# Altium PCB 6502_CPU_MainBoard_PCB_V1_2_x.PcbDoc (part 1 of 4) (continued)
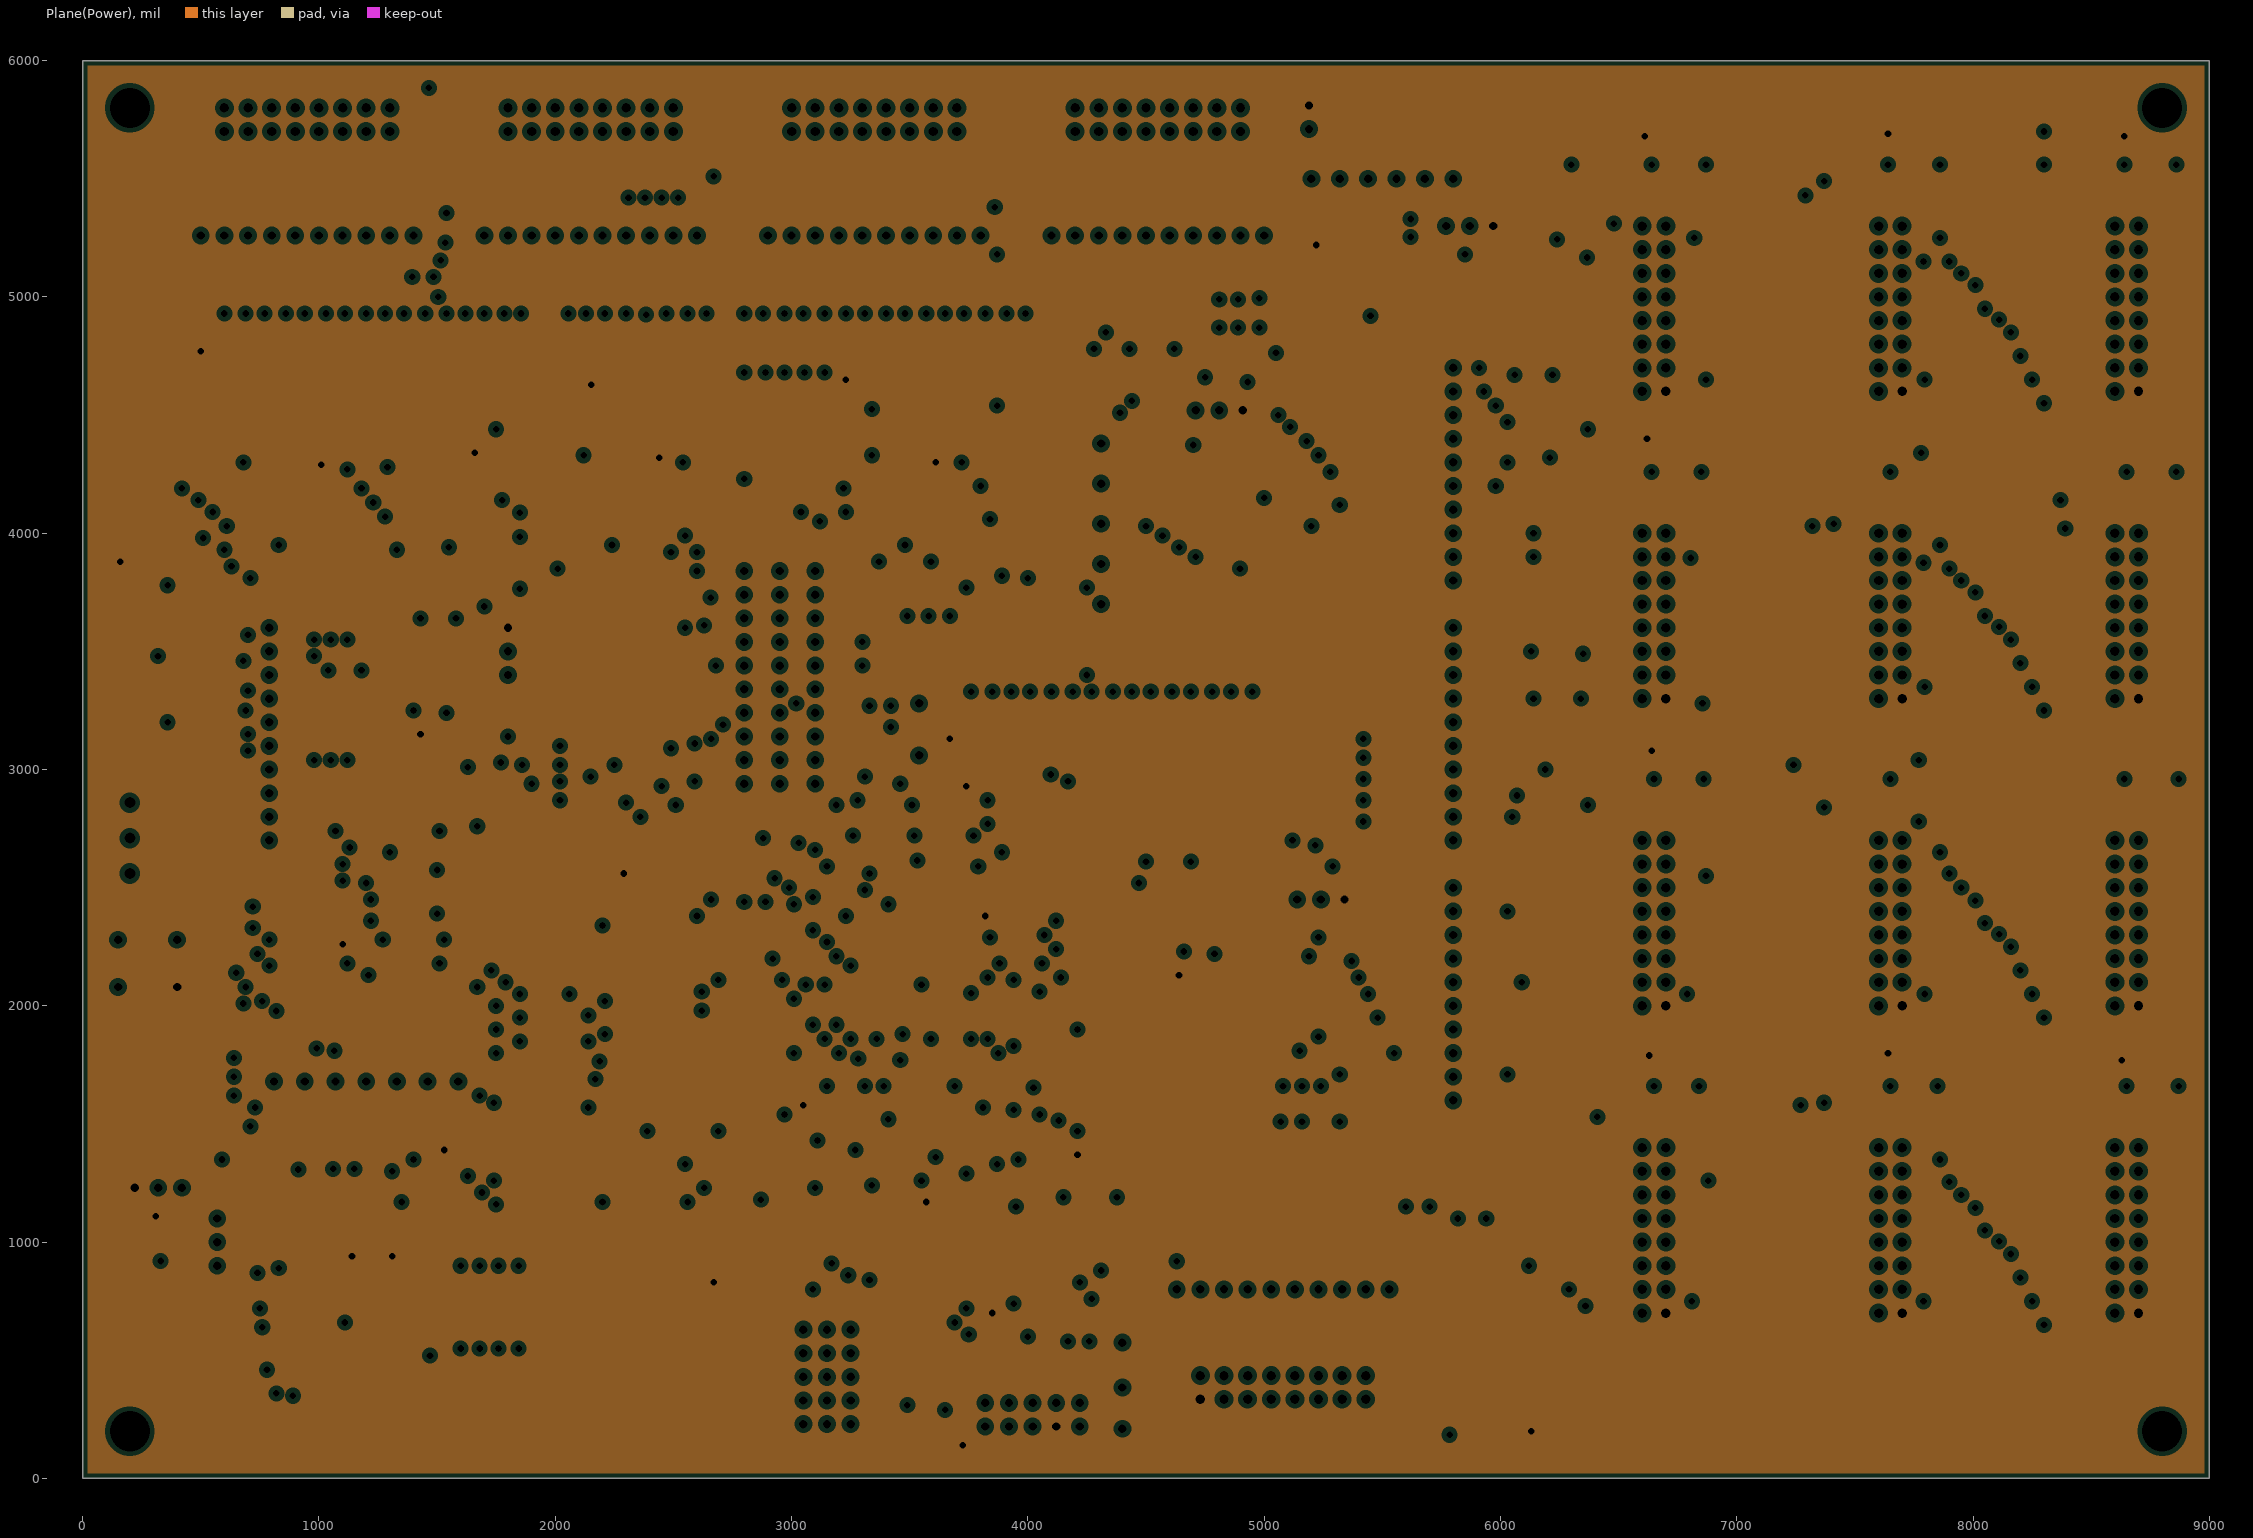
[diagram p3: Plane(Power), clearances drawn from the general rule]
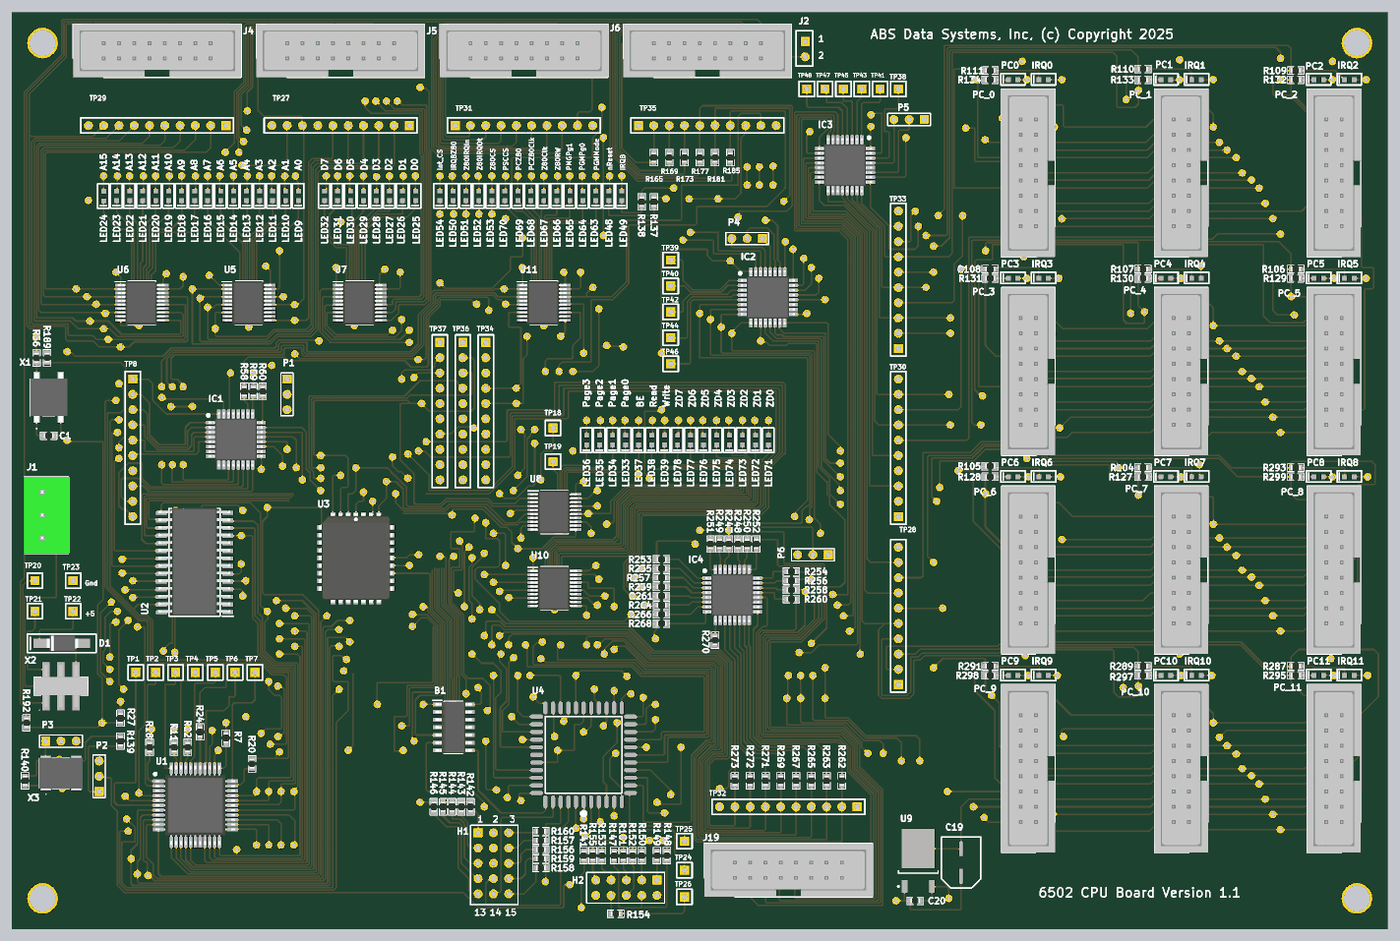
[diagram p7: 3D render of the assembled board from above, using the file's embedded part models]
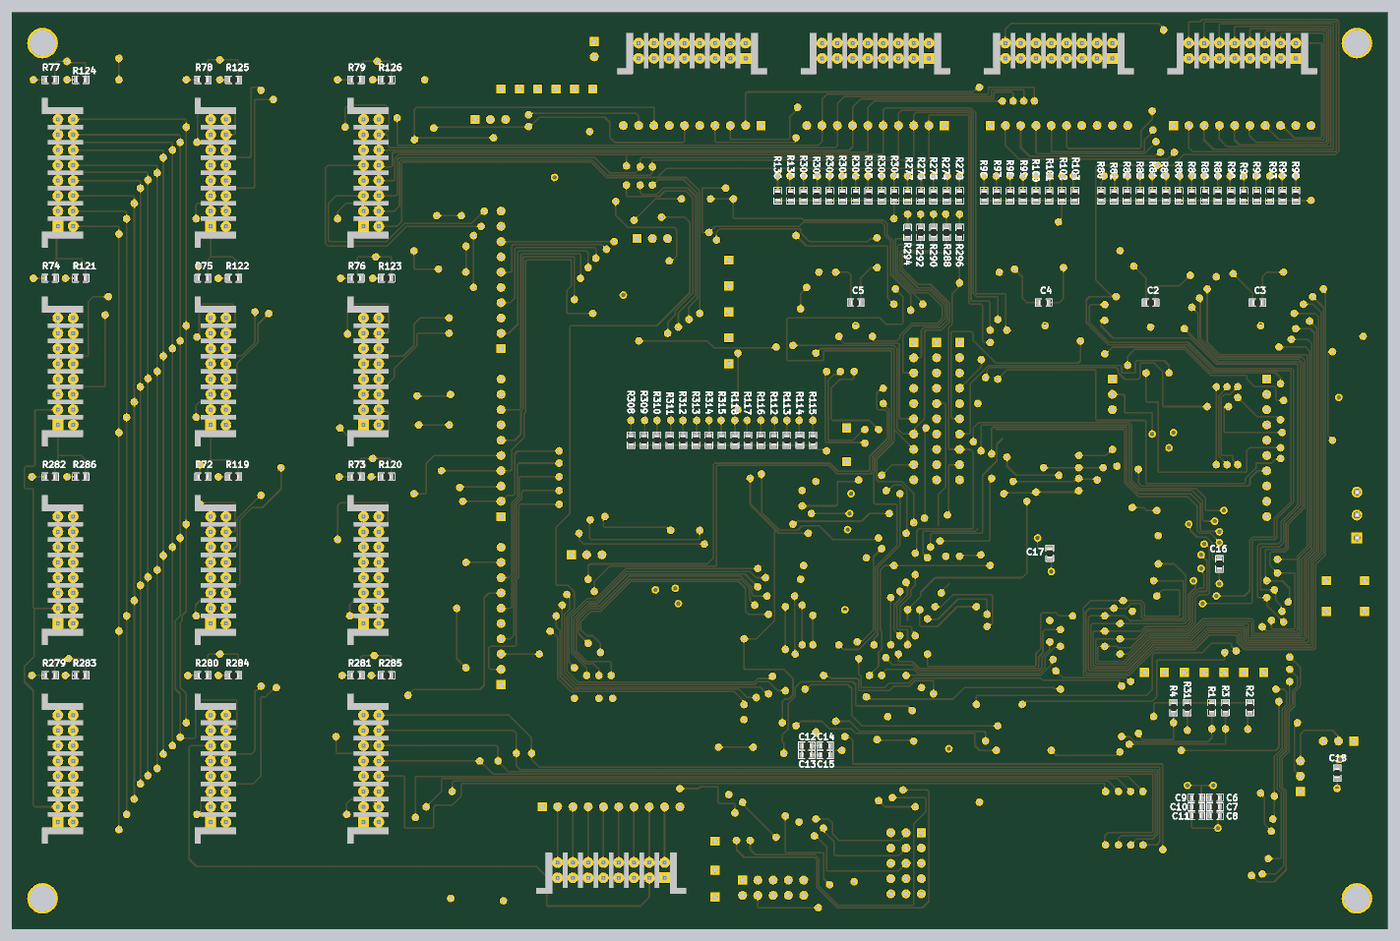
[diagram p8: 3D render of the assembled board from below, using the file's embedded part models]

## Layer stack, top to bottom
Top Solder: solder mask 0.4, Solder Resist, Dk 3.5
Top Layer: signal copper 1.4
Dielectric 2: prepreg 2.8, PP-006, Dk 4.1
Plane(GND): plane copper 1.378, net GND
Dielectric 1: dielectric 12.6, FR-4, Dk 4.8
Plane(Power): plane copper 1.378, net +5
Dielectric 3: prepreg 2.8, PP-006, Dk 4.1
Bottom Layer: signal copper 1.4
Bottom Solder: solder mask 0.4, Solder Resist, Dk 3.5

## Board outline
0,0 0,6000 9000,6000 9000,0

## Design rules (kind name [scope] priority, off if disabled: settings)
Clearance [All] p1: gap=5 ignorepadtopadclearanceinfootprint=FALSE
HoleSize [All] p1: absolutevalues=TRUE maxlimit=200 minlimit=1 maxpercent=80.000 minpercent=20.000
HoleToHoleClearance [All] p1: gap=5 allowstackedmicrovias=TRUE
MinimumSolderMaskSliver [All] p1: minsoldermaskwidth=2
PlaneClearance [All] p1: clearance=20
PlaneConnect [All] p1: planeconnectstyle=Relief reliefexpansion=20 reliefentries=4 reliefconductorwidth=10 reliefairgap=10
PolygonConnect [All] p1: connectstyle=Relief reliefconductorwidth=10 reliefentries=4 polygonreliefangle="90 Angle" airgapwidth=10
RoutingVias [All] p1: holewidth=28 width=50 viastyle="Through Hole" minholewidth=28 minwidth=50 maxholewidth=28 maxwidth=50
SilkToSilkClearance [All] p1: silktosilkclearance=4
SilkToSolderMaskClearance [IsPad] p1: minsilkscreentomaskgap=3.5 clearancetoexposedcopper=TRUE
SolderMaskExpansion [All] p1: expansion=4 istentingtop=FALSE
Width [All] p1: maxlimit=40 minlimit=5 preferedwidth=10 minimp=50.000000 maximp=50.000000 favimp=50.000000
23 further rules are at their usual default settings.

## Classes and differential pairs
component class Z80_Interface: IC4 J19 P6 R247 R248 R249 R250 R251 R252 R253 R254 R255 R256 R257 R258 R259 R260 R261 R262 R263 R264 R265 R266 R267 R268 R269 R270 R271 R272 R273
component class TestPoints: TP27 TP28 TP29 TP30 TP31 TP32 TP33 TP34 TP35 TP36 TP37
component class Programmer_Interface: J2 J3 J4 J5 J6 R165 R169 R173 R177 R181 R185 R189 R192
component class PowerSupply: C2 C3 C4 C5 C6 C7 C8 C9 C10 C11 C12 C13 C14 C15 C16 C17 C18 C19 C20 D1 H1 H2 J1 P2 P3 R139 R140 R141 R142 R143 R144 R145 R146 R147 R148 R149 R150 R151 R152 R153 R154 R155 R156 R157 R158 R159 R160 TP20 TP21 TP22 TP23 TP24 TP25 TP26 U9 X2 X3
component class Peripherial_Bus: IC2 IC3 P4 P5 PC_0 PC_1 PC_2 PC_3 PC_4 PC_5 PC_6 PC_7 PC_8 PC_9 PC_10 PC_11 TP38 TP39 TP40 TP41 TP42 TP43 TP44 TP45 TP46 TP47 TP48
component class LED_Monitor: IRQ0 IRQ1 IRQ2 IRQ3 IRQ4 IRQ5 IRQ6 IRQ7 LED9 LED10 LED11 LED12 LED13 LED14 LED15 LED16 LED17 LED18 LED19 LED20 LED21 LED22 LED23 LED24 LED25 LED26 LED27 LED28 LED29 LED30 LED31 LED32 LED33 LED34 LED35 LED36 LED37 LED38 LED39 LED48 LED49 PC0 PC1 PC2 PC3 PC4 PC5 PC6 PC7 R72 R73 R74 R75 R76 R77 R78 R79 R80 R81 R82 R83 R84 R85 R86 R87 R88 R89 R90 R91 R92 R93 R94 R95 R96 R97 R98 R99 R100 R101 R102 R103 R104 R105 R106 R107 R108 R109 R110 R111 R112 R113 R114 R115 R116 R117 R118 R119 R120 R121 R122 R123 R124 R125 R126 R127 R128 R129 R130 R131 R132 R133 R134 R135 R136 R137 R138 TP18 TP19 U5 U6 U7 U8
component class LED_Monitor_2: IRQ8 IRQ9 IRQ10 IRQ11 LED50 LED51 LED52 LED53 LED54 LED63 LED64 LED65 LED66 LED67 LED68 LED69 LED70 LED71 LED72 LED73 LED74 LED75 LED76 LED77 LED78 PC8 PC9 PC10 PC11 R274 R275 R276 R277 R278 R279 R280 R281 R282 R283 R284 R285 R286 R287 R288 R289 R290 R291 R292 R293 R294 R295 R296 R297 R298 R299 R300 R301 R302 R303 R304 R305 R306 R307 R308 R309 R310 R311 R312 R313 R314 R315 U10 U11
component class CPU_Board: B1 C1 IC1 P1 R1 R2 R3 R4 R7 R11 R18 R20 R22 R24 R27 R31 R56 R58 R59 R60 TP1 TP2 TP3 TP4 TP5 TP6 TP7 TP8 U1 U2 U3 U4 X1

## Components (designator, comment, footprint, x,y, rotation, side; value= is the part's Value field where it differs from the comment)
B1 "CD74HCT20MT" SOIC127P600X175-14N 2890,1320 r0 top locked
C1 "100nf" 0603 240,3230 r180 top locked
C2 "100nf" 0603 1550,4100 r180 bottom
C3 "100nf" 0603 850,4100 r180 bottom
C4 "100nf" 0603 2250,4100 r180 bottom
C5 "100nf" 0603 3480,4100 r180 bottom
C6 "100nf" 0603 1130,860 r180 bottom
C7 "1nf" 0603 1130,800 r180 bottom
C8 "1uf" 0603 1130,740 r180 bottom
C9 "100nf" 0603 1250,860 r0 bottom
C10 "1nf" 0603 1250,800 r0 bottom
C11 "1uf" 0603 1250,740 r0 bottom
C12 "0.22uf" 0603 3800,1200 r180 bottom
C13 "0.22uf" 0603 3800,1140 r180 bottom
C14 "0.22uf" 0603 3680,1200 r0 bottom
C15 "0.22uf" 0603 3680,1140 r0 bottom
C16 "100nf" 0603 1100,2390 r90 bottom
C17 "100nf" 0603 2210,2460 r270 bottom
C18 "100nf" 0603 330,1020 r270 bottom
C19 "47uF" CapSMD_6.3x5.8 6210,435.5 r270 top locked
C20 "1uf" 0603 5910,185 r180 top locked
D1 "S3AFGHM3" do-221ac 300,1870 r180 top locked
H1 "Header_3x5" HDR3X5 3050,630 r270 top locked
H2 "Header_IDC_2x5" HDR2X5 4220,320 r180 top locked
IC1 "AVR64DD32-I_PT" QFP80P900X900X120-32N 1464.49,3205 r0 top locked
IC2 "AVR64DD32-I_PT" QFP80P900X900X120-32N 4945,4135 r0 top locked
IC3 "AVR64DD32-I_PT" QFP80P900X900X120-32N 5450,5000 r270 top locked
IC4 "AVR64DD32-I_PT" QFP80P900X900X120-32N 4712.76,2186.85 r0 top locked
IRQ0 "amber" 0603_Diode 6750,5560 r0 top locked
IRQ1 "amber" 0603_Diode 7750,5560 r0 top locked
IRQ2 "amber" 0603_Diode 8750,5560 r0 top locked
IRQ3 "amber" 0603_Diode 6750,4260 r0 top locked
IRQ4 "amber" 0603_Diode 7750,4260 r0 top locked
IRQ5 "amber" 0603_Diode 8750,4260 r0 top locked
IRQ6 "amber" 0603_Diode 6750,2960 r0 top locked
IRQ7 "amber" 0603_Diode 7750,2960 r0 top locked
IRQ8 "amber" 0603_Diode 8750,2960 r0 top locked
IRQ9 "amber" 0603_Diode 6750,1660 r0 top locked
IRQ10 "amber" 0603_Diode 7750,1660 r0 top locked
IRQ11 "amber" 0603_Diode 8750,1660 r0 top locked
J1 "1803439" 1803439 200,2560 r90 top locked
J2 "Jumper" Jumper 5190,5810 r180 top locked
J3 "70246-1604" SHDR16W99P254_2X8_2794X889X927P 600,5700 r0 top locked
J4 "70246-1604" SHDR16W99P254_2X8_2794X889X927P 1800,5700 r0 top locked
J5 "70246-1604" SHDR16W99P254_2X8_2794X889X927P 3000,5700 r0 top locked
J6 "70246-1604" SHDR16W99P254_2X8_2794X889X927P 4200,5700 r0 top locked
J19 "70246-1604" SHDR16W99P254_2X8_2794X889X927P 4730,335 r0 top locked
LED9 "green" 0603_Diode 1875,4800 r90 top
LED10 "green" 0603_Diode 1790,4800 r90 top
LED11 "green" 0603_Diode 1705,4800 r90 top
LED12 "green" 0603_Diode 1620,4800 r90 top
LED13 "green" 0603_Diode 1535,4800 r90 top
LED14 "green" 0603_Diode 1450,4800 r90 top
LED15 "green" 0603_Diode 1365,4800 r90 top
LED16 "green" 0603_Diode 1280,4800 r90 top
LED17 "green" 0603_Diode 1195,4800 r90 top
LED18 "green" 0603_Diode 1110,4800 r90 top
LED19 "green" 0603_Diode 1025,4800 r90 top
LED20 "green" 0603_Diode 940,4800 r90 top
LED21 "green" 0603_Diode 855,4800 r90 top
LED22 "green" 0603_Diode 770,4800 r90 top
LED23 "green" 0603_Diode 685,4800 r90 top
LED24 "green" 0603_Diode 600,4798.5 r90 top
LED25 "blue" 0603_Diode 2640,4800 r90 top locked
LED26 "blue" 0603_Diode 2555,4800 r90 top locked
LED27 "blue" 0603_Diode 2470,4800 r90 top locked
LED28 "blue" 0603_Diode 2385,4800 r90 top locked
LED29 "blue" 0603_Diode 2300,4800 r90 top locked
LED30 "blue" 0603_Diode 2215,4800 r90 top locked
LED31 "blue" 0603_Diode 2130,4800 r90 top locked
LED32 "blue" 0603_Diode 2045,4800 r90 top locked
LED33 "amber" 0603_Diode 4015,3200 r90 top locked
LED34 "amber" 0603_Diode 3930,3200 r90 top locked
LED35 "amber" 0603_Diode 3845,3200 r90 top locked
LED36 "amber" 0603_Diode 3760,3200 r90 top locked
LED37 "amber" 0603_Diode 4100,3200 r90 top locked
LED38 "amber" 0603_Diode 4185,3200 r90 top locked
LED39 "amber" 0603_Diode 4270,3200 r90 top locked
LED48 "amber" 0603_Diode 3905,4800 r90 top locked
LED49 "amber" 0603_Diode 3990,4800 r90 top locked
LED50 "amber" 0603_Diode 2885,4800 r90 top locked
LED51 "amber" 0603_Diode 2970,4800 r90 top locked
LED52 "amber" 0603_Diode 3055,4800 r90 top locked
LED53 "amber" 0603_Diode 3140,4800 r90 top locked
LED54 "amber" 0603_Diode 2800,4800 r90 top locked
LED63 "amber" 0603_Diode 3820,4800 r90 top locked
LED64 "amber" 0603_Diode 3735,4800 r90 top locked
LED65 "amber" 0603_Diode 3650,4800 r90 top locked
LED66 "amber" 0603_Diode 3565,4800 r90 top locked
LED67 "amber" 0603_Diode 3480,4800 r90 top locked
LED68 "amber" 0603_Diode 3395,4800 r90 top locked
LED69 "amber" 0603_Diode 3310,4800 r90 top locked
LED70 "amber" 0603_Diode 3225,4800 r90 top locked
LED71 "amber" 0603_Diode 4950,3200 r90 top locked
LED72 "amber" 0603_Diode 4865,3200 r90 top locked
LED73 "amber" 0603_Diode 4780,3200 r90 top locked
LED74 "amber" 0603_Diode 4695,3200 r90 top locked
LED75 "amber" 0603_Diode 4610,3200 r90 top locked
LED76 "amber" 0603_Diode 4525,3200 r90 top locked
LED77 "amber" 0603_Diode 4440,3200 r90 top locked
LED78 "amber" 0603_Diode 4355,3200 r90 top locked
P1 "MHDR1X3_100" MHDR1X3_100 1800,3600 r270 top
P2 "MHDR1X3_100" MHDR1X3_100 570,900 r90 top
P3 "MHDR1X3_100" MHDR1X3_100 220,1230 r0 top
P4 "MHDR1X3_100" MHDR1X3_100 4910,4520 r180 top locked
P5 "MHDR1X3_100" MHDR1X3_100 5970,5300 r180 top locked
P6 "MHDR1X3_100" MHDR1X3_100 5340,2450 r180 top locked
PC0 "amber" 0603_Diode 6550,5560 r0 top locked
PC1 "amber" 0603_Diode 7550,5560 r0 top locked
PC2 "amber" 0603_Diode 8550,5560 r0 top locked
PC3 "amber" 0603_Diode 6550,4260 r0 top locked
PC4 "amber" 0603_Diode 7550,4260 r0 top locked
PC5 "amber" 0603_Diode 8550,4260 r0 top locked
PC6 "amber" 0603_Diode 6550,2960 r0 top locked
PC7 "amber" 0603_Diode 7550,2960 r0 top locked
PC8 "amber" 0603_Diode 8550,2960 r0 top locked
PC9 "amber" 0603_Diode 6550,1660 r0 top locked
PC10 "amber" 0603_Diode 7550,1660 r0 top locked
PC11 "amber" 0603_Diode 8550,1660 r0 top locked
PC_0 "70246-1604" SHDR16W99P254_2X8_2794X889X927P 6700,4600 r90 top locked
PC_1 "70246-1604" SHDR16W99P254_2X8_2794X889X927P 7700,4600 r90 top locked
PC_2 "70246-1604" SHDR16W99P254_2X8_2794X889X927P 8700,4600 r90 top locked
PC_3 "70246-1604" SHDR16W99P254_2X8_2794X889X927P 6700,3300 r90 top locked
PC_4 "70246-1604" SHDR16W99P254_2X8_2794X889X927P 7700,3300 r90 top locked
PC_5 "70246-1604" SHDR16W99P254_2X8_2794X889X927P 8700,3300 r90 top locked
PC_6 "70246-1604" SHDR16W99P254_2X8_2794X889X927P 6700,2000 r90 top locked
PC_7 "70246-1604" SHDR16W99P254_2X8_2794X889X927P 7700,2000 r90 top locked
PC_8 "70246-1604" SHDR16W99P254_2X8_2794X889X927P 8700,2000 r90 top locked
PC_9 "70246-1604" SHDR16W99P254_2X8_2794X889X927P 6700,700 r90 top locked
PC_10 "70246-1604" SHDR16W99P254_2X8_2794X889X927P 7700,700 r90 top locked
PC_11 "70246-1604" SHDR16W99P254_2X8_2794X889X927P 8700,700 r90 top locked
R1 "1k" 0603 1150,1450 r90 bottom
R2 "1k" 0603 900,1450 r90 bottom
R3 "1k" 0603 1060,1450 r90 bottom
R4 "1k" 0603 1400,1450 r90 bottom
R7 "0R" 0603 1400,1250 r270 top
R11 "0R" 0603 1060,1190 r270 top
R18 "0R" 0603 900,1190 r270 top
R20 "0R" 0603 1570,1081.5 r270 top
R22 "0R" 0603 1150,1190 r270 top
R24 "0R" 0603 1230,1290 r270 top
R27 "0R" 0603 710,1380 r90 top
R31 "1k" 0603 1310,1450 r90 bottom
R56 "1k" 0603 160,3738.5 r270 top locked
R58 "0R" 0603 1520,3520 r90 top
R59 "0R" 0603 1580,3520 r90 top
R60 "0R" 0603 1640,3520 r90 top
R72 "4.7k" 0603 7750,2960 r0 bottom locked
R73 "4.7k" 0603 6750,2960 r0 bottom locked
R74 "4.7k" 0603 8750,4260 r0 bottom locked
R75 "4.7k" 0603 7750,4260 r0 bottom locked
R76 "4.7k" 0603 6750,4260 r0 bottom locked
R77 "4.7k" 0603 8750,5560 r0 bottom locked
R78 "4.7k" 0603 7750,5560 r0 bottom locked
R79 "4.7k" 0603 6750,5560 r0 bottom locked
R80 "10k" 0603 1875,4800 r270 bottom locked
R81 "10k" 0603 1790,4800 r270 bottom locked
R82 "10k" 0603 1705,4800 r270 bottom locked
R83 "10k" 0603 1620,4800 r270 bottom locked
R84 "10k" 0603 1535,4800 r270 bottom locked
R85 "10k" 0603 1450,4800 r270 bottom locked
R86 "10k" 0603 1365,4800 r270 bottom locked
R87 "10k" 0603 1280,4800 r270 bottom locked
R88 "10k" 0603 1195,4800 r270 bottom locked
R89 "10k" 0603 1110,4800 r270 bottom locked
R90 "10k" 0603 1025,4800 r270 bottom locked
R91 "10k" 0603 940,4800 r270 bottom locked
R92 "10k" 0603 855,4800 r270 bottom locked
R93 "10k" 0603 770,4800 r270 bottom locked
R94 "10k" 0603 685,4800 r270 bottom locked
R95 "10k" 0603 600,4800 r270 bottom locked
R96 "10k" 0603 2640,4800 r90 bottom locked
R97 "10k" 0603 2555,4800 r90 bottom locked
R98 "10k" 0603 2470,4800 r90 bottom locked
R99 "10k" 0603 2385,4800 r90 bottom locked
R100 "10k" 0603 2300,4800 r90 bottom locked
R101 "10k" 0603 2215,4800 r90 bottom locked
R102 "10k" 0603 2130,4800 r90 bottom locked
R103 "10k" 0603 2045,4800 r90 bottom locked
R104 "0R" 0603 7400,3020 r0 top
R105 "0R" 0603 6400,3030 r0 top
R106 "0R" 0603 8400,4320 r0 top
R107 "0R" 0603 7400,4320 r0 top
R108 "0R" 0603 6400,4320 r0 top
R109 "0R" 0603 8400,5620 r0 top
R110 "0R" 0603 7400,5630 r0 top
R111 "0R" 0603 6400,5620 r0 top
R112 "4.7k" 0603 4015,3200 r90 bottom locked
R113 "4.7k" 0603 3930,3200 r90 bottom locked
R114 "4.7k" 0603 3845,3200 r90 bottom locked
R115 "4.7k" 0603 3760,3200 r90 bottom locked
R116 "4.7k" 0603 4100,3200 r90 bottom locked
R117 "4.7k" 0603 4185,3200 r90 bottom locked
R118 "4.7k" 0603 4270,3200 r90 bottom locked
R119 "4.7k" 0603 7550,2960 r0 bottom locked
R120 "4.7k" 0603 6550,2960 r0 bottom locked
R121 "4.7k" 0603 8550,4260 r0 bottom locked
R122 "4.7k" 0603 7550,4260 r0 bottom locked
R123 "4.7k" 0603 6550,4260 r0 bottom locked
R124 "4.7k" 0603 8550,5560 r0 bottom locked
R125 "4.7k" 0603 7550,5560 r0 bottom locked
R126 "4.7k" 0603 6550,5560 r0 bottom locked
R127 "0R" 0603 7400,2960 r0 top
R128 "0R" 0603 6400,2960 r0 top
R129 "0R" 0603 8400,4260 r0 top
R130 "0R" 0603 7400,4260 r0 top
R131 "0R" 0603 6400,4260 r0 top
R132 "0R" 0603 8400,5560 r0 top
R133 "0R" 0603 7400,5560 r0 top
R134 "0R" 0603 6400,5560 r0 top
R135 "100" 0603 3905,4800 r90 bottom locked
R136 "100" 0603 3990,4800 r90 bottom locked
R137 "0R" 0603 4200,4760 r270 top
R138 "0R" 0603 4120,4760 r270 top
R139 "0R" 0603 710,1230 r270 top
R140 "0R" 0603 85,970 r270 top
R141 "1k" 0603 3740,480 r90 top
R142 "1k" 0603 3000,800 r270 top
R143 "1k" 0603 2940,800 r270 top
R144 "1k" 0603 2880,800 r270 top
R145 "1k" 0603 2820,800 r270 top
R146 "1k" 0603 2760,800 r270 top
R147 "1k" 0603 3940,480 r90 top
R148 "1k" 0603 4285,480 r90 top
R149 "0R" 0603 4220,480 r270 top
R150 "0R" 0603 4120,480 r270 top
R151 "0R" 0603 4000,480 r270 top
R152 "0R" 0603 4060,480 r90 top
R153 "0R" 0603 3860,480 r270 top
R154 "0R" 0603 3950,100 r0 top
R155 "0R" 0603 3800,480 r270 top
R156 "1k" 0603 3460,520 r0 top
R157 "1k" 0603 3460,580 r0 top
R158 "1k" 0603 3460,400 r0 top
R159 "1k" 0603 3460,460 r0 top
R160 "1k" 0603 3460,640 r0 top
R165 "0R" 0603 4200,5050 r270 top
R169 "0R" 0603 4300,5050 r270 top
R173 "0R" 0603 4400,5050 r270 top
R177 "0R" 0603 4500,5050 r270 top
R181 "0R" 0603 4600,5050 r270 top
R185 "0R" 0603 4700,5050 r270 top
R189 "0R" 0603 230,3740 r90 top locked
R192 "0R" 0603 95,1350 r90 top
R247 "0R" 0603 4690,2520 r270 top
R248 "0R" 0603 4750,2520 r90 top
R249 "0R" 0603 4630,2520 r270 top
R250 "0R" 0603 4810,2520 r90 top
R251 "0R" 0603 4570,2520 r270 top
R252 "0R" 0603 4870,2520 r90 top
R253 "0R" 0603 4250,2420 r0 top
R254 "0R" 0603 5100,2340 r0 top
R255 "0R" 0603 4250,2360 r0 top
R256 "0R" 0603 5100,2280 r0 top
R257 "0R" 0603 4250,2300 r0 top
R258 "0R" 0603 5100,2220 r0 top
R259 "0R" 0603 4250,2240 r0 top
R260 "0R" 0603 5100,2160 r0 top
R261 "0R" 0603 4250,2180 r0 top
R262 "0R" 0603 5430,970 r270 top
R263 "0R" 0603 5330,970 r270 top
R264 "0R" 0603 4250,2120 r0 top
R265 "0R" 0603 5230,970 r270 top
R266 "0R" 0603 4250,2060 r0 top
R267 "0R" 0603 5130,970 r270 top
R268 "0R" 0603 4250,2000 r0 top
R269 "0R" 0603 5030,970 r270 top
R270 "0R" 0603 4600,1890 r90 top
R271 "0R" 0603 4930,970 r270 top
R272 "0R" 0603 4830,970 r270 top
R273 "0R" 0603 4730,970 r270 top
R274 "4.7k" 0603 2885,4800 r90 bottom
R275 "4.7k" 0603 2970,4800 r90 bottom
R276 "4.7k" 0603 3055,4800 r90 bottom
R277 "4.7k" 0603 3140,4800 r90 bottom
R278 "4.7k" 0603 2800,4800 r90 bottom
R279 "4.7k" 0603 8750,1660 r0 bottom locked
R280 "4.7k" 0603 7750,1660 r0 bottom locked
R281 "4.7k" 0603 6750,1660 r0 bottom locked
R282 "4.7k" 0603 8750,2960 r0 bottom locked
R283 "4.7k" 0603 8550,1660 r0 bottom locked
R284 "4.7k" 0603 7550,1660 r0 bottom locked
R285 "4.7k" 0603 6550,1660 r0 bottom locked
R286 "4.7k" 0603 8550,2960 r0 bottom locked
R287 "0R" 0603 8400,1720 r0 top
R288 "0R" 0603 2885,4560 r90 bottom
R289 "0R" 0603 7400,1720 r0 top
R290 "0R" 0603 2970,4560 r90 bottom
R291 "0R" 0603 6400,1720 r0 top
R292 "0R" 0603 3055,4560 r90 bottom
R293 "0R" 0603 8400,3020 r0 top
R294 "0R" 0603 3140,4560 r90 bottom
R295 "0R" 0603 8400,1660 r0 top
R296 "0R" 0603 2800,4560 r90 bottom
R297 "0R" 0603 7400,1660 r0 top
R298 "0R" 0603 6400,1660 r0 top
R299 "0R" 0603 8400,2960 r0 top
R300 "4.7k" 0603 3820,4800 r90 bottom locked
R301 "4.7k" 0603 3735,4800 r90 bottom locked
R302 "4.7k" 0603 3650,4800 r90 bottom locked
R303 "4.7k" 0603 3565,4800 r90 bottom locked
R304 "4.7k" 0603 3480,4800 r90 bottom locked
R305 "4.7k" 0603 3395,4800 r90 bottom locked
R306 "4.7k" 0603 3310,4800 r90 bottom locked
R307 "4.7k" 0603 3225,4800 r90 bottom locked
R308 "4.7k" 0603 4950,3200 r90 bottom locked